# KiCad board ergodash.kicad_pcb (continued)
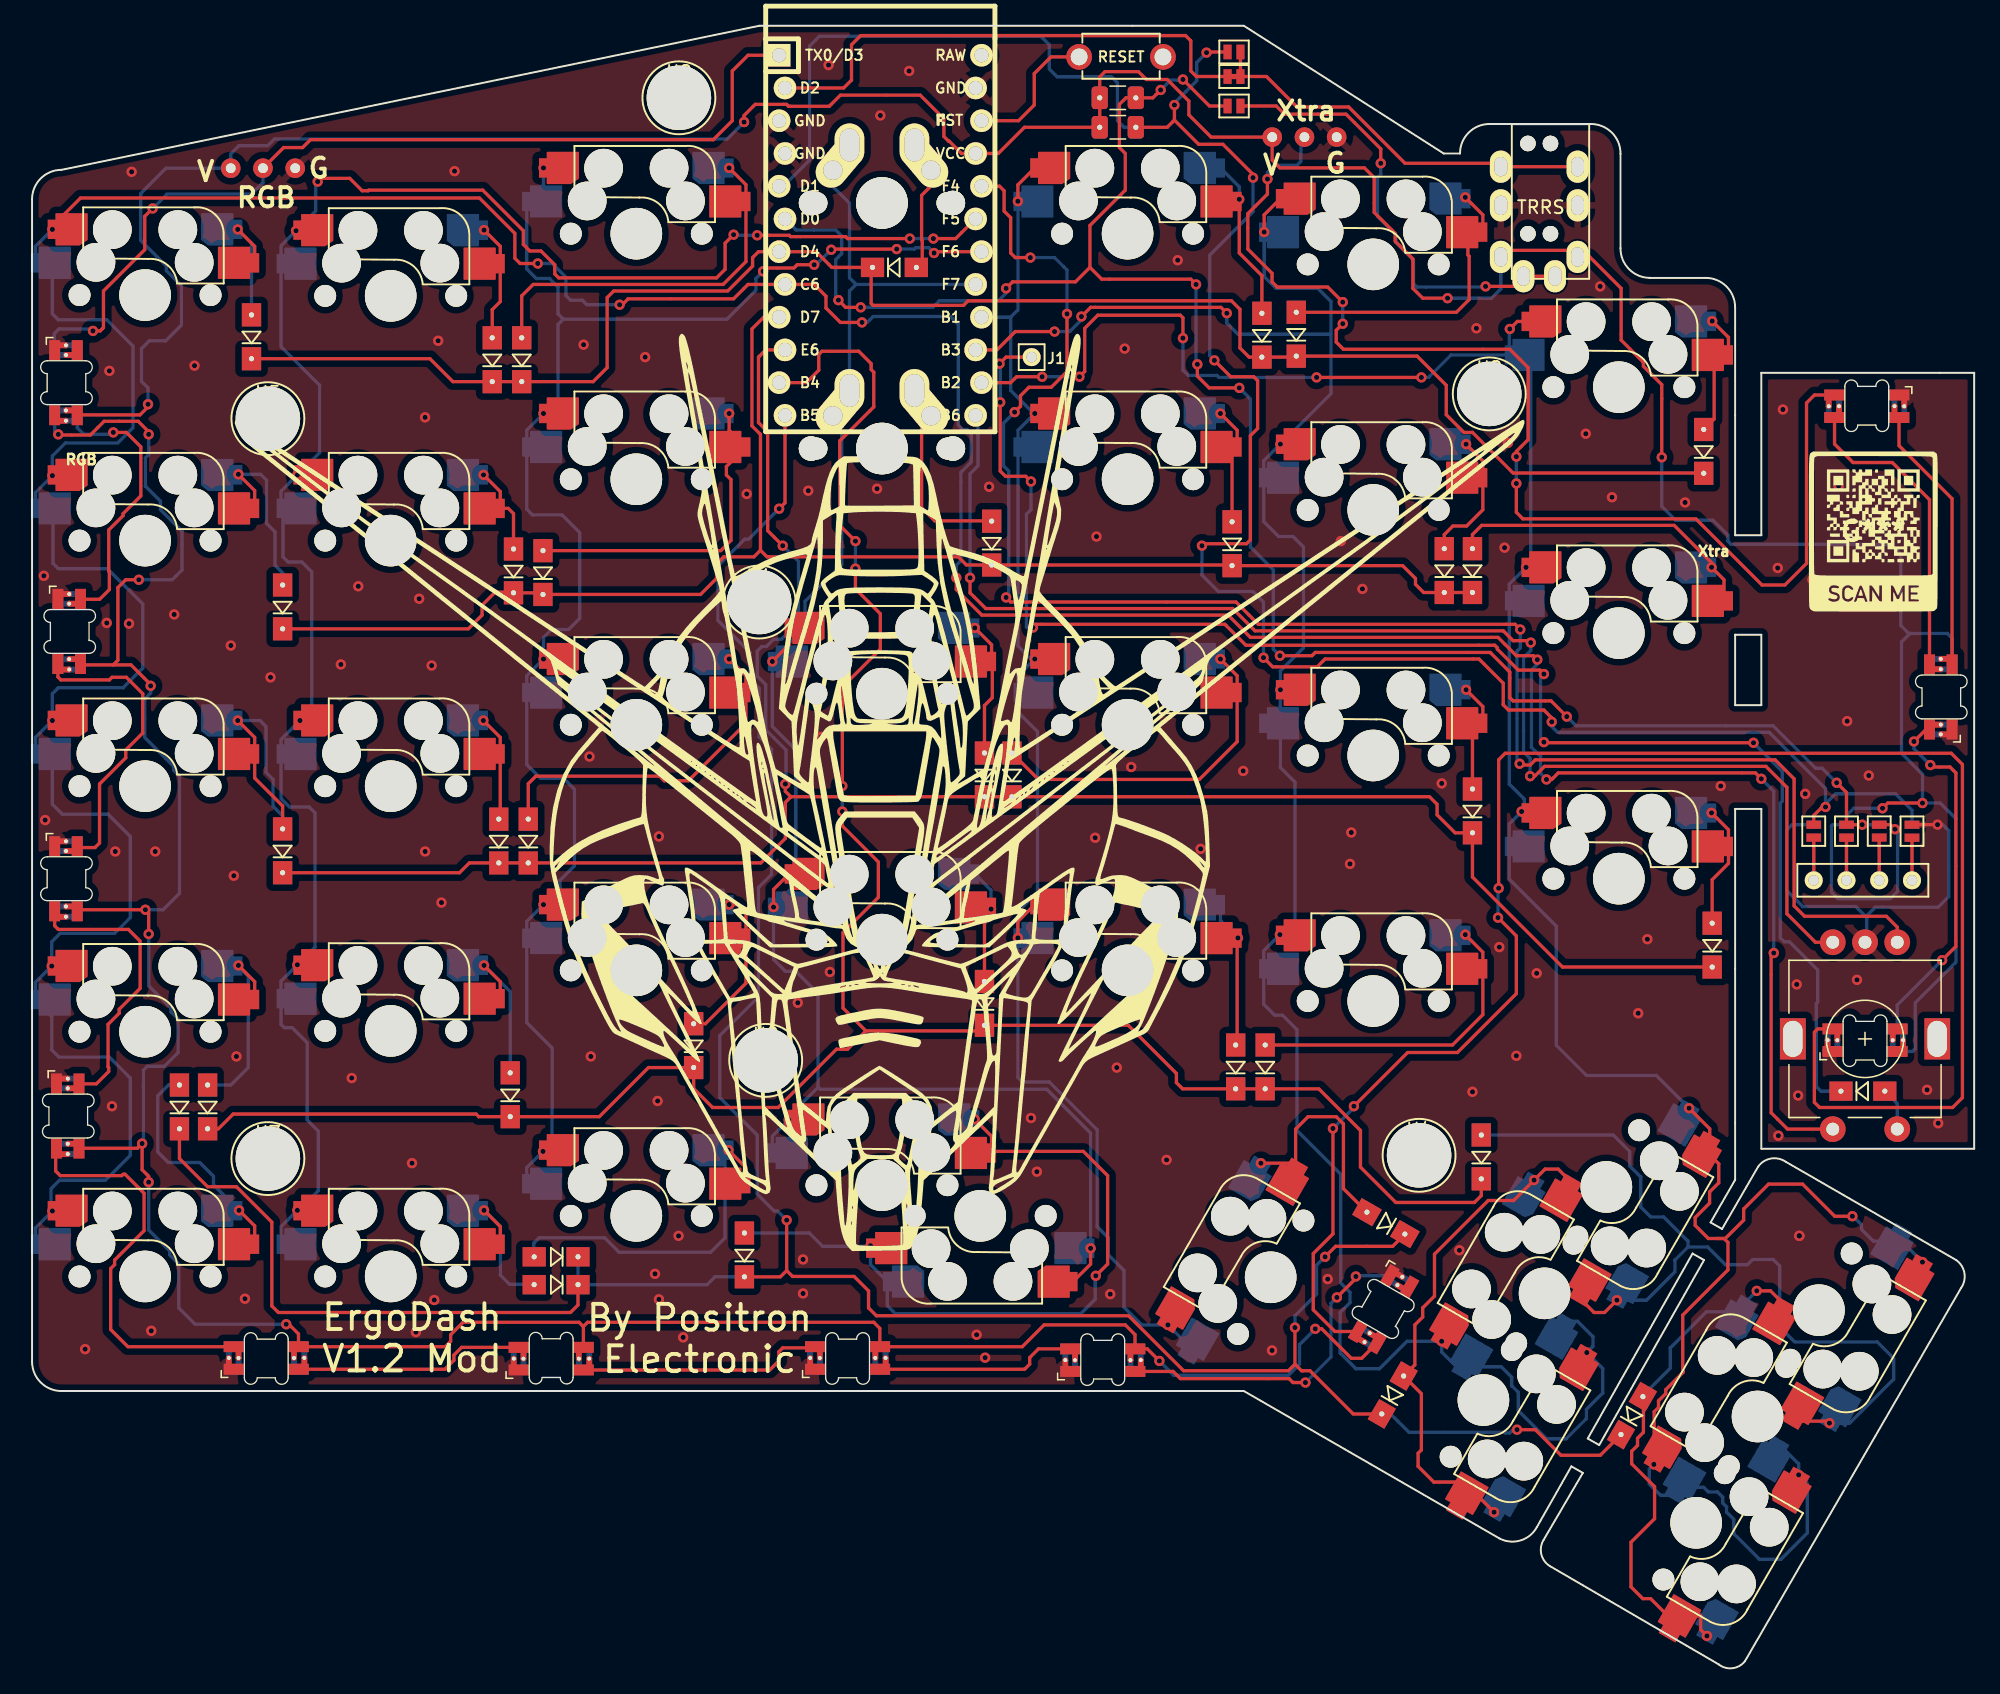
[diagram p0: board, top side]
## Routing (per net, layer and track width the routed paths; a pad name or vN(x,y) marks a point on that pad's centre or on a via; arc(x,y) is an arc through that point) (continued)
  Bottom w0.254: v1(144.48,65.09) 144.68,64.89 144.68,60.26 144.12,59.7 140.06,59.7 139.55,60.21 139.55,65.34 139.64,65.44 JP7.1 140.72,66.16 141.27,66.71 v1(143.51,66.71) ; 145.59,80.23 144.98,79.62 144.98,70.98 146.61,69.36 v1(146.61,67.12) 147.98,67.12 149.2,65.9 149.2,54.78 146.05,51.63 146.05,48.07 145.83,47.85 D40.1 ; 145.59,80.23 145.64,80.28 148.54,80.28 148.9,79.91 D38.1 ; 145.59,80.23 144.93,80.89 144.93,86.43 144.17,87.19 131.78,87.19 131.52,87.44 131.52,87.9 130.35,89.07 127.46,89.07 126.39,90.13 v1(126.39,93.94) ; v1(99.52,26.33) 98.3,25.11 98.3,23.59 97.43,22.72 88.54,22.72 v1(87.43,23.84) ; v1(8.99,98.06) 8.99,99.33 8.48,99.84 8.48,102.38 9.09,102.99 10.36,102.99 11.58,104.21 11.58,107.25 10.41,108.42 10.41,108.78 8.43,110.76 8.43,114.42 10.39,116.37 J2.1 15.41,117.48 16.05,118.12 18.29,118.12 18.8,118.63 53.9,118.63 v1(55.22,119.95) ; v1(8.79,58.84) 10.16,58.84 11.43,60.11 11.43,69.2 10.97,69.66 10.97,69.97 8.74,72.2 8.74,75.2 9.19,75.66 v1(9.19,76.21) ; TRRS1.1 113.91,107.02 113.18,106.29 v1(109.78,106.29) ; D35.1 1.75,96 v1(2.03,95.72) ; v1(19.71,26.68) 12.65,26.68 11.38,27.95 11.38,31.36 10.67,32.07 10.67,32.37 9.04,34 v1(9.04,37.71) ; v1(8.53,40.71) 8.64,40.81 8.64,46.39 8.94,46.7 10.26,46.7 11.33,47.77 11.33,50.36 10.77,50.92 10.77,51.22 9.04,52.95 v1(9.04,56.96) ; v1(8.28,84.44) 10.87,84.44 11.63,85.21 11.63,88.2 9.96,89.88 9.96,90.54 8.79,91.71 8.79,93.89 9.04,94.15 v1(9.04,95.72)
/col0: length 331.6
  Top w0.254: v1(45.57,105.78) 45.77,105.78 46.23,106.24 54.41,106.24 55.52,107.35 U6.8 60.66,107.35 61.57,106.44 61.57,105.53 62.69,104.41 v1(64.36,104.41) ; v1(1.52,54.47) 1.53,54.48 SW45.1 ; v1(134.11,69) 133.65,69.46 118.36,69.46 117.86,68.95 v1(117.45,68.95) ; v1(135.08,55.49) 134.87,55.28 134.87,43.09 136.14,41.82 SW57.S1 ; v1(116.74,78.25) 116.43,78.55 115.11,78.55 113.69,79.97 94.49,79.97 92.76,81.7 73.66,81.7 71.68,83.68 v1(71.68,84.6) ; SW44.1 1.57,73.53 v1(1.57,73.52) ; SW46.1 1.56,35.48 v1(1.57,35.47) ; v1(39.22,108.98) 37.85,108.98 37.44,109.39 37.44,111.32 34.7,114.06 3.76,114.06 1.56,111.86 SW42.1 1.57,111.63 v1(1.57,111.62) ; v1(1.57,92.52) 1.56,92.53 SW43.1
  Bottom w0.254: SW46.1 0.26,34.16 v1(1.57,35.47) 1.47,35.57 1.47,37.2 2.13,37.86 5.69,37.86 7.62,39.79 7.62,45.79 5.99,47.41 2.08,47.41 1.52,47.97 1.52,50.56 0.26,51.82 SW45.1 0.26,53.21 v1(1.52,54.47) 1.52,56.35 2.18,57.01 6.4,57.01 7.62,58.23 7.62,64.53 5.89,66.26 2.34,66.26 1.57,67.02 1.57,70.02 0.66,70.93 SW44.1 0.26,72.21 v1(1.57,73.52) 1.57,75.6 2.03,76.06 7.06,76.06 8.59,77.59 8.59,82.56 5.84,85.31 2.03,85.31 1.63,85.71 1.63,88.86 0.51,89.98 SW43.1 0.26,91.21 v1(1.57,92.52) 1.57,94.05 2.59,95.06 6.65,95.06 7.82,96.23 7.82,102.58 5.79,104.61 2.03,104.61 1.57,105.07 1.57,108.22 1.47,108.32 0.97,108.32 SW42.1 0.26,110.31 v1(1.57,111.62) ; v1(64.36,104.41) 64.77,104.41 65.23,104.87 71.22,104.87 71.83,104.26 71.83,96.43 72.19,96.08 72.54,96.08 72.85,95.77 72.85,93.59 72.03,92.78 72.03,85.92 71.68,85.56 v1(71.68,84.6) ; v1(135.08,55.49) 135.08,68.04 v1(134.11,69) ; v1(117.45,68.95) 116.99,69.41 116.99,70.73 116.28,71.44 116.28,77.43 116.74,77.89 v1(116.74,78.25) ; v1(39.22,108.98) 40.34,108.98 41.4,107.91 41.4,106.49 41.76,106.14 42.67,106.14 43.03,105.78 v1(45.57,105.78)
/col1: length 153.8
  Top w0.254: SW48.1 20.58,92.58 v1(20.57,92.57) ; v1(56.24,111.16) 58.72,111.16 58.83,111.06 63.09,111.06 63.25,110.91 v1(68.07,110.91) ; v1(54.41,111.22) 53.75,110.56 53.75,108.52 53.09,107.86 40.84,107.86 40.54,108.17 40.54,108.88 39.47,109.95 38.61,109.95 38.1,110.45 38.1,111.52 34.95,114.67 26.11,114.67 26.06,114.62 25.6,114.62 24.64,115.58 22.4,115.58 v1(22.15,115.33) ; SW50.1 20.6,54.54 v1(20.57,54.57) ; SW49.1 20.77,73.53 v1(20.78,73.52) ; SW51.1 20.6,35.49 v1(20.57,35.52) ; SW47.1 20.52,111.57 v1(20.47,111.52) ; U6.19 73.15,112.43 71.63,110.91 v1(69.9,110.91)
  Bottom w0.254: SW51.1 19.31,34.26 v1(20.57,35.52) 20.68,35.52 22.2,37.05 22.2,41.67 21.34,42.53 21.34,48.53 20.17,49.7 19.56,49.7 19.31,49.94 SW50.1 19.31,53.31 v1(20.57,54.57) 21.95,55.95 21.95,66.36 21.49,66.82 19.96,66.82 19.31,67.47 SW49.1 19.31,72.06 v1(20.78,73.52) 21.69,74.44 21.69,85.05 20.93,85.82 19.86,85.82 19.46,86.22 19.46,89.84 SW48.1 19.31,91.31 v1(20.57,92.57) 22.3,94.3 22.3,99.53 19.31,102.52 SW47.1 19.31,110.36 v1(20.47,111.52) 22,113.04 22,115.18 v1(22.15,115.33) ; v1(54.41,111.22) 54.46,111.16 v1(56.24,111.16) ; v1(69.9,110.91) v1(68.07,110.91)
/col2: length 129.1
  Top w0.254: v1(69.95,109.79) 70.05,109.89 U6.18 ; v1(67.06,110.1) 62.03,110.1 v1(61.98,110.05) ; v1(56.69,108.37) 56.95,108.62 59.08,108.62 59.33,108.88 v1(60.66,108.88) ; v1(39.62,40.1) 39.66,40.13 39.66,40.19
  Bottom w0.254: 38.36,37.59 38.36,38.83 v1(39.62,40.1) 40.34,40.81 40.34,48.12 38.36,50.09 SW55.1 38.36,57.94 v1(39.66,59.24) 40.94,60.52 40.94,61.13 42.06,62.24 42.06,68.19 41.2,69.05 39.42,69.05 38.36,70.11 SW54.1 38.36,76.99 v1(39.66,78.29) 39.66,79.96 40.28,80.58 41.61,80.58 42.47,81.45 42.47,88.1 41.1,89.47 38.81,89.47 38.36,89.92 SW53.1 38.36,96.04 v1(39.66,97.34) 40.79,98.47 40.79,104.26 41.2,104.66 ; v1(61.98,110.05) 60.81,108.88 v1(60.66,108.88) ; v1(39.66,116.39) 39.66,115.09 SW52.1 38.36,108.57 39.12,107.81 40.13,107.81 40.79,107.15 40.79,105.07 41.2,104.66 ; 41.2,104.66 53.9,104.66 56.13,106.9 56.13,107.81 v1(56.69,108.37) ; v1(67.06,110.1) 68.43,110.1 68.53,110.2 69.55,110.2 v1(69.95,109.79)
/col3: length 133.1
  Top w0.254: v1(57.51,59.04) 57.51,60.42 58.71,61.62 ; SW62.1 82.09,31.35 v1(82.09,32.58) ; 58.71,80.7 58.71,79.4 v1(57.41,78.1) ; 58.71,42.57 v1(58.67,42.53)
  Bottom w0.254: SW61.1 57.41,41.27 v1(58.67,42.53) 58.67,42.79 60.96,45.07 ; SW14.1 62.1,96.61 62.79,95.92 62.79,85.61 59.94,82.77 59.94,80.74 57.41,78.2 v1(57.41,78.1) 57.41,73.06 59.23,71.24 59.23,60.84 SW60.1 57.48,59.02 v1(57.51,59.04) 57.51,54.98 58.42,54.07 59.23,54.07 60.96,52.34 60.96,45.07 ; SW13.1 62.1,114.95 63.39,113.66 63.39,107.87 63.91,107.35 ; 60.96,45.07 61.11,44.92 78.69,44.92 82.09,41.52 v1(82.09,32.58) 82.08,32.59 SW62.1 ; 63.91,107.35 U6.17 ; 63.91,107.35 63.39,106.84 SW14.1
/col4: length 110.2
  Top w0.254: SW67.1 88.08,26.64 v1(88.09,26.63) ; v1(76.45,113.81) 76.45,115.08 SW63.1 ; v1(76.45,56.66) 76.45,57.93 SW66.1
  Bottom w0.254: v1(76.45,56.66) 76.45,58.69 77.98,60.21 77.98,72.66 76.46,74.17 SW65.1 76.46,76.99 v1(77.76,78.29) 77.48,78.29 76.46,79.3 SW64.1 76.46,96.04 v1(77.76,97.34) 77.68,97.34 75.9,99.13 75.9,104.81 ; v1(76.45,56.66) 76.46,56.65 SW66.1 ; v1(76.45,56.66) 76.45,45.84 76.81,45.48 78.89,45.48 82.6,41.77 82.6,34.25 83.46,33.39 83.46,32.07 84.68,30.85 84.68,28.01 86.06,26.63 v1(88.09,26.63) 89.64,25.08 SW67.1 ; 75.9,104.81 U6.16 ; 75.9,104.81 76.45,105.37 v1(76.45,113.81) 76.46,113.8 SW63.1
/col5: length 173.5
  Top w0.254: v1(109.32,25.36) 109.29,25.4 SW73.1 ; 96.81,114.01 95.55,112.75 v1(95.55,111.42) ; U6.15 74.83,102.27 76.25,103.7 v1(79.3,103.7) ; v1(92.66,105.12) 92.2,105.58 82.09,105.58 v1(81.38,104.87) ; v1(96.77,56.91) 96.81,56.87 96.81,56.86
  Bottom w0.254: SW72.1 119.86,26.92 121.06,25.72 121.06,24.97 v1(120.57,24.49) 121.82,23.25 121.82,21.35 120.55,20.08 120.55,19.37 118.97,17.79 117.45,17.79 115.27,19.98 115.27,21.4 114.76,21.91 114.76,22.57 113.94,23.38 111.3,23.38 SW73.1 109.32,24.54 v1(109.32,25.36) 106.63,25.36 104.5,23.23 102.67,23.23 101.45,24.45 101.45,27.6 102.21,28.36 102.21,29.17 101.5,29.88 101.5,38.32 98.09,41.72 98.09,49.54 96.98,50.66 96.37,50.66 95.51,51.52 SW71.1 95.51,55.65 v1(96.77,56.91) 97.94,58.08 97.94,68.75 96.81,69.88 96.81,75.31 ; 100.74,103.54 100.69,103.49 93.52,103.49 92.66,104.36 v1(92.66,105.12) ; 100.74,103.54 100.74,98.88 v1(96.81,94.96) 95.51,93.66 SW69.1 95.51,88.96 96.67,87.8 97.79,87.8 98.6,86.98 98.6,79.16 96.81,77.37 v1(96.81,75.91) 96.81,75.31 ; 100.74,103.54 100.74,106.03 99.72,107.05 96.47,107.05 95.55,107.96 v1(95.55,111.42) 95.55,111.41 SW68.1 ; v1(79.3,103.7) 80.47,103.7 81.38,104.61 v1(81.38,104.87) ; SW70.1 96.81,74.61 96.81,75.31
/col6: length 205.2
  Top w0.254: v1(137.01,15) 137.04,14.96 SW79.1 ; 130.71,33.34 131.22,33.34 131.52,33.03 131.52,30.9 128.02,27.4 128.02,23.08 128.07,23.03 128.07,22.98 126.7,21.6 126.7,21.3 126.14,20.74 126.14,20.23 125.8,19.9 SW80.1 125.8,15.83 v1(125.78,15.81) ; 130.71,33.34 130,33.34 128.98,34.36 128.98,34.96 130.1,36.08 130.1,36.95 130.81,37.66 130.81,39.13 130.11,39.83 SW77.1 130.11,41.85 v1(128.51,43.45) ; 130.71,33.34 131.32,33.34 132.74,34.76 132.74,35.63 134.67,37.56 137.31,37.56 139.8,35.07 v1(141.17,35.07) ; v1(81.23,100.19) 81.64,100.6 81.64,103.95 82.65,104.97 89.05,104.97 89.26,104.76 v1(89.26,103.19) ; v1(78.33,100.19) 76.35,100.19 75.9,99.73 U6.14 ; v1(146.61,31.51) 146.6,31.5 SW78.1 ; v1(99.62,100.14) v1(107.75,100.14) ; v1(114.6,103.9) 115.19,104.49 SW74.1 ; v1(115.52,66.46) 115.76,66.46 SW76.1
  Bottom w0.254: v1(78.33,100.19) v1(81.23,100.19) ; v1(146.61,31.51) 144.98,33.14 142.8,33.14 141.88,34.05 141.88,34.41 141.27,35.02 ; v1(107.75,100.14) 108.31,100.14 110.05,101.89 SW74.1 ; SW79.1 137.01,15.85 v1(137.01,15) 137.67,14.34 137.67,10.48 135.64,8.45 133.96,8.45 131.98,10.43 131.98,11.55 131.42,12.1 131.42,12.51 131.11,12.82 131.11,13.27 130.71,13.68 130,13.68 129.64,14.04 128.37,14.04 127.75,13.42 SW80.1 126.3,13.42 125.43,14.29 125.43,15.46 v1(125.78,15.81) ; v1(128.51,43.45) 125.97,45.99 120.55,45.99 118.21,48.33 118.21,57.57 114.56,61.22 SW76.1 114.56,65.5 v1(115.52,66.46) 115.72,66.66 115.72,67.43 114.56,68.59 SW75.1 114.56,84.1 v1(115.86,85.4) 116.23,85.77 116.23,100.65 114.99,101.89 SW74.1 ; SW74.1 114.56,103.86 v1(114.6,103.9) ; 99.57,100.19 v1(99.62,100.14) 92.05,100.14 91.9,100.29 89.66,100.29 89.26,100.7 v1(89.26,103.19)
/row0: length 133.5
  Top w0.254: D1.1 30.86,101.59 32.64,99.81 D5.1 D9.1 43.51,99.81 44.6,100.9 44.6,106.34 45.11,106.85 53.95,106.85 55.88,108.78 55.88,109.44 56.34,109.89 U6.7 60.81,109.89 62.03,108.68 D13.1 65.07,108.57 65.07,105.88 65.23,105.73 72.24,105.73 72.59,106.08 93.01,106.08 93.68,105.42 93.68,102.43 94.38,101.72 D17.1 95.38,101.72 97.97,101.72 D21.1 107.41,101.79 109.68,99.53 109.68,97.25 111.05,95.87 111.71,95.87 114.86,92.72 129.62,92.72 D25.1
/row1: length 117.6
  Top w0.254: 56.49,86.73 56.49,95.72 55.83,96.38 55.83,103.9 56.74,104.81 U6.9 ; 56.49,86.73 57,86.22 71.83,86.22 72.46,85.59 D14.1 93.01,85.59 D18.1 106.3,85.54 107.29,84.55 107.29,84.09 107.92,83.46 D22.1 D26.1 ; 56.49,86.73 55.98,86.22 53.64,86.22 53.09,85.66 53.09,84.55 51.84,83.3 D10.1 39.5,83.43 D6.1 37.29,83.48 35.92,83.48 34.9,82.46 34.9,81.7 33.83,80.63 19.43,80.63 D2.1
/row2: length 163.6
  Top w0.254: D27.1 118.69,54.4 111.71,61.38 D23.1 110.36,64.81 108.97,66.21 108.97,67.02 108.38,67.61 D19.1 D15.1 58.85,67.61 ; 58.85,67.61 58.85,67.61 58.42,68.04 v1(58.42,68.59) ; 58.85,67.61 58.42,67.17 58.42,64.38 56.52,62.47 D11.1 D7.1 33.91,62.47 33.15,61.71 D3.1 ; U6.10 56.9,102.27 56.34,101.72 56.34,96.64 57.05,95.92 57.05,88.25 v1(58.22,87.09)
  Bottom w0.254: v1(58.22,87.09) 59.44,85.87 59.44,81.14 58.12,79.82 57.51,79.82 56.95,79.26 56.59,79.26 56.24,78.91 56.24,76.98 56.9,76.32 56.9,72.81 58.47,71.24 58.47,68.65 v1(58.42,68.59)
/row3: length 182.8
  Top w0.254: v1(62.84,68.44) 62.84,76.11 65.79,79.06 65.79,81.8 63.86,83.73 v1(63.86,85.31) ; 64.67,49.44 63.25,48.02 62.38,48.02 57.86,43.5 52.78,43.5 51.31,44.97 D12.1 47.8,46.6 43.99,42.79 D8.1 34.64,42.79 34.44,42.99 15.6,42.99 14.45,41.85 D4.1 ; 64.67,49.44 73.43,49.44 D16.1 85.01,49.88 88.75,46.14 88.75,45.43 89.23,44.95 D20.1 D24.1 99.79,44.95 103.02,41.72 103.02,38.88 105.77,36.13 111.86,36.13 112.4,36.67 D28.1 ; 64.67,49.44 62.89,51.22 62.89,57.06 65.63,59.81 65.63,62.55 62.84,65.34 v1(62.84,66.46) ; v1(63.86,87.44) 62.64,88.66 62.64,95.21 65.28,97.86 65.28,100.55 65.07,100.75 65.07,101.21 64.11,102.17 61.26,102.17 61.01,101.92 61.01,100.7 60.05,99.73 U6.11
  Bottom w0.254: v1(62.84,68.44) v1(62.84,66.46) ; v1(63.86,87.44) v1(63.86,85.31)
/row4: length 225.9
  Top w0.254: 58.52,30.85 v1(58.52,34.76) ; 58.52,30.85 58.04,30.36 D32.1 ; 58.52,30.85 58.98,30.39 63.75,30.39 64.87,29.28 64.87,27.95 65.48,27.34 85.04,27.34 89.31,23.08 97.43,23.08 97.94,23.59 ; D33.1 105.52,32.73 101.09,32.73 v1(100.28,31.92) ; D34.1 102.46,19.73 99.11,23.08 98.45,23.08 97.94,23.59 ; v1(115.16,18.51) 116.59,18.51 118.57,16.52 121.63,16.52 D68.1 ; U6.12 58.39,90.41 v1(57.94,89.96) ; 97.94,23.59 v1(97.94,26.43) ; D30.1 42.34,28.18 41.76,27.6 19.1,27.6 18.59,28.11 18.59,34.61 15.85,37.35 13.61,37.35 11.43,39.54 D29.1
  Bottom w0.254: v1(100.28,31.92) 99.62,31.26 99.62,29.02 97.94,27.34 v1(97.94,26.43) ; v1(57.94,89.96) 55.58,87.59 55.27,87.59 53.19,85.51 53.19,81.29 55.68,78.81 55.68,76.72 56.39,76.01 56.39,72.25 57.35,71.29 57.35,61.58 56.34,60.57 56.34,52.08 53.34,49.09 53.34,44.26 56.24,41.37 56.24,36.79 57.56,35.47 57.81,35.47 v1(58.52,34.76) ; D32.1 52.96,30.36 52.35,29.76 D30.1 D31.1 ; D34.1 105.36,19.73 106.78,18.3 114.2,18.3 114.25,18.25 114.6,18.25 114.86,18.51 v1(115.16,18.51)
/xtradata: length 92
  Top w0.254: v1(115.11,91.91) 115.11,89.68 115.62,89.17 129.03,89.17 134.16,84.04 135.94,84.04 137.62,85.71 137.62,98.16 138.24,98.78 D36.2 ; v1(101.65,104.31) 101.14,103.8 101.14,102.88 101.7,102.33 114.6,102.33 116.03,100.9 116.03,95.32 115.11,94.4 v1(115.11,93.99) ; v1(95.81,115.53) 95.81,114.37 94.28,112.84 94.28,110.1 96.16,108.22 96.16,107.56 96.57,107.15 100.48,107.15 v1(101.65,105.98)
  Bottom w0.254: J3.2 98.4,118.51 98.4,116.91 98.09,116.6 96.37,116.6 95.81,116.04 v1(95.81,115.53) ; v1(101.65,104.31) v1(101.65,105.98) ; v1(115.11,91.91) v1(115.11,93.99)
DATA: length 40.3
  Top w0.254: U6.2 62.94,122.59 63.55,123.2 63.55,125.95 64.26,126.66 89.46,126.66 89.87,126.25 89.87,123.92 90.3,123.48 JP10.1
enc_a: length 133.9
  Top w0.254: v1(76.2,97.45) 76.66,97.91 76.66,98.72 77.32,99.38 79.04,99.38 80.26,100.6 v1(80.26,105.07) ; v1(115.37,70.17) 115.47,70.07 116.18,70.07 116.59,70.47 135.18,70.47 136.65,69 136.65,59.15 137.46,58.33 143.81,58.33 144.65,57.49 SW57.A ; U6.20 75.03,114.97 75.39,114.62 75.39,113.04 75.9,112.54 75.9,109.79 76.25,109.44 v1(77.42,109.44) ; v1(75.54,83.07) 75.9,82.72 93.37,82.72 95.1,80.99 115.01,80.99 v1(115.42,80.58)
  Bottom w0.254: v1(75.54,83.07) 75.74,83.28 75.74,92.88 75.34,93.28 75.34,96.59 v1(76.2,97.45) ; v1(80.26,105.07) 80.26,108.47 79.3,109.44 v1(77.42,109.44) ; v1(115.37,70.17) 115.16,70.37 115.16,78.91 115.42,79.16 v1(115.42,80.58)
enc_b: length 105.2
  Top w0.254: v1(116.18,69.2) 116.54,69.2 117.3,69.97 134.47,69.97 136.09,68.34 136.09,58.54 138.31,56.32 SW57.B ; v1(72.75,84.6) 72.75,83.43 73.96,82.21 93.12,82.21 94.84,80.48 114.1,80.48 114.86,79.72 116.08,79.72 v1(116.23,79.57)
  Bottom w0.254: v1(72.75,84.6) 72.75,92.67 73.36,93.28 73.36,97.02 U6.13 ; v1(116.23,79.57) 116.23,78.96 115.67,78.4 115.67,71.08 116.18,70.58 v1(116.18,69.2)
RGB: length 72.7
  Top w0.254: v1(4.72,103.75) 5.28,103.75 5.54,104 5.54,106.85 8.74,110.05 8.74,112.64 v1(9.35,113.25) ; U6.1 55.52,125.13 54.31,123.92 54.31,120.05 52.83,118.58 21.59,118.58 20.98,117.97 19.51,117.97 J2.2
  Bottom w0.254: v1(4.72,103.75) 4.57,103.9 2.08,103.9 1.73,103.54 1.73,102.26 D35.4 ; J2.2 17.91,115.25 17.02,114.37 10.46,114.37 v1(9.35,113.25)
row5: length 120.1
  Top w0.254: v1(77.47,92.06) 77.06,92.47 75.49,92.47 75.08,92.88 v1(75.08,98.21) ; J1.1 75.54,101.72 v1(75.03,101.21) ; v1(117.25,71.85) 117.3,71.79 v1(133.5,71.79) ; v1(77.62,80.74) 77.88,80.99 92.51,80.99 94.13,79.36 113.44,79.36 113.64,79.16 113.64,79.06 115.27,77.43 116.94,77.43 v1(117.25,77.13)
  Bottom w0.254: v1(133.5,71.79) 135.74,69.56 135.74,67.27 135.59,67.12 135.59,56.66 135.89,56.35 136.3,56.35 138.48,54.17 138.48,51.68 138.38,51.58 138.38,45.12 138.73,44.77 D_1.1 ; v1(77.47,92.06) 77.47,89.88 77.11,89.52 77.11,80.79 77.17,80.74 v1(77.62,80.74) ; v1(75.08,98.21) 75.08,101.16 v1(75.03,101.21) ; v1(117.25,77.13) 116.99,76.87 116.99,72.1 v1(117.25,71.85)
RST: length 11.1
  Top w0.254: RST_SW1.1 79.02,125.01 77.72,123.71 77.72,121.27 76.5,120.05 U6.22
SCL: length 151.8
  Top w0.254: 82.04,108.68 82.96,107.76 89.87,107.76 v1(90.27,107.35) ; 82.04,108.68 82.04,111.93 84.79,114.67 84.79,117.51 84.33,117.97 84.33,121.32 84.84,121.83 R2.2 86.92,121.83 v1(87.53,122.44) ; 82.04,108.68 80.92,107.56 76.05,107.56 v1(75.54,107.05) ; v1(119.02,73.83) 117.81,75.05 114.86,75.05 114.6,75.3 114.6,77.28 113.08,78.81 99.52,78.81 99.26,78.55 v1(96.77,78.55) ; v1(90.37,101.16) 90.37,100.24 91.29,99.33 v1(93.62,99.33) ; v1(64.26,105.58) 63.09,105.58 v1(62.53,106.14) ; v1(89.26,123.26) 91.31,121.2 JP9.2 ; v1(141.94,65.44) 141.93,65.44 JP3.1 140.72,67.93 v1(139.95,68.7)
  Bottom w0.254: v1(90.27,107.35) 90.27,101.26 v1(90.37,101.16) ; v1(139.95,68.7) 138.84,69.81 138.33,69.81 135.03,73.12 119.74,73.12 v1(119.02,73.83) ; U6.6 59.26,111.57 62.33,111.57 62.79,111.11 62.79,109.74 62.33,109.29 62.33,106.34 v1(62.53,106.14) ; v1(141.94,65.44) 141.94,65.44 JP6.1 ; v1(75.54,107.05) 75.54,106.69 74.93,106.08 70.36,106.08 69.85,105.58 v1(64.26,105.58) ; v1(89.26,123.26) 89.2,123.2 88.29,123.2 v1(87.53,122.44) ; v1(96.77,78.55) 96.27,79.06 96.27,85.21 94.49,86.98 94.49,98.46 v1(93.62,99.33)
SDA: length 173.1
  Top w0.254: v1(91.08,125.34) 91.14,125.39 JP11.1 ; v1(91.69,101.46) 92.96,100.19 94.74,100.19 95.05,99.89 95.05,96.18 94.49,95.62 94.49,87.54 94.18,87.24 90.88,87.24 v1(90.73,87.09) ; v1(117.86,73.42) 117.86,73.73 117.25,74.33 114.5,74.33 114.1,74.74 114.1,76.42 112.22,78.3 100.28,78.3 99.67,77.69 96.22,77.69 v1(95.5,78.4) ; v1(139.09,66.82) 138.84,66.82 138.18,66.16 JP4.1 ; R1.2 88.04,119.55 88.6,120.11 ; 88.6,120.11 v1(88.6,121.27) ; 88.6,120.11 90.47,118.23 92.35,118.23 94.69,115.89 v1(94.69,115.64)
  Bottom w0.254: v1(95.5,78.4) 95.5,82.72 94.69,83.53 92,83.53 90.73,84.8 v1(90.73,87.09) ; R1.2 84.68,119.55 84.18,120.05 84.18,123 83.72,123.46 79.5,123.46 78.89,124.07 78.89,125.95 78.23,126.61 61.06,126.61 60.3,125.85 60.3,117.01 58.27,114.97 U6.5 ; JP5.1 145.8,66.56 144.53,67.83 139.85,67.83 139.09,67.07 v1(139.09,66.82) 139.09,68.24 134.72,72.61 118.31,72.61 117.86,73.06 v1(117.86,73.42) ; v1(88.6,121.27) 88.6,121.43 90.32,123.15 90.32,124.58 v1(91.08,125.34) ; v1(91.69,101.46) 91.34,101.82 91.34,109.64 94.69,112.99 v1(94.69,115.64)
Net-(D1-Pad2): length 10.2
  Top w0.254: SW42.2 17.26,110.31 v1(15.95,111.62)
  Bottom w0.254: D1.2 17.02,110.56 v1(15.95,111.62) 15.96,111.63 SW42.2
Net-(D2-Pad2): length 14.2
  Top w0.254: v1(16,92.62) 17.26,91.36 SW43.2
  Bottom w0.254: SW43.2 15.96,92.58 v1(16,92.62) 17.73,92.62 18.19,92.17 18.19,88.81 18.85,88.15 18.85,85.56 19.43,84.98 D2.2
Net-(D3-Pad2): length 20.7
  Top w0.254: v1(15.95,73.52) 17.26,72.21 SW44.2 17.26,69.06 19.43,66.89 D3.2
  Bottom w0.254: D3.2 19.43,66.13 18.69,66.87 18.69,68.95 18.14,69.51 18.14,73.06 17.68,73.52 v1(15.95,73.52) 15.96,73.53 SW44.2
Net-(D4-Pad2): length 15.1
  Top w0.254: v1(16,54.52) 17.26,53.26 SW45.2
  Bottom w0.254: D4.2 15.42,45.25 16.76,46.6 16.76,53.68 SW45.2 15.96,54.48 v1(16,54.52)
Net-(D5-Pad2): length 9.2
  Top w0.254: v1(35.05,111.57) 36.31,110.31 SW47.2 36.31,106.03 35.69,105.4 D5.2
  Bottom w0.254: v1(35.05,111.57) 35.05,111.57 SW47.2
Net-(D6-Pad2): length 7.1
  Top w0.254: D6.2 37.34,89.57 36.93,89.98 SW48.2 36.31,91.28 v1(35.01,92.58)
Net-(D7-Pad2): length 8.3
  Top w0.254: D7.2 36.31,65.99 SW49.2 36.31,72.21 v1(35,73.52)
  Bottom w0.254: SW49.2 35.01,73.53 v1(35,73.52)
Net-(D8-Pad2): length 12.3
  Top w0.254: v1(35.05,54.52) 36.31,53.26 SW50.2
  Bottom w0.254: SW50.2 35.03,54.54 v1(35.05,54.52) 37.08,52.49 D8.2
Net-(D9-Pad2): length 29.6
  Top w0.254: v1(54.06,116.39) 55.36,115.09 SW52.2 55.36,109.12 53.59,107.35 38.86,107.35 37.97,106.47 D9.2
Net-(D10-Pad2): length 26.1
  Top w0.254: v1(54.06,97.34) 54.06,96.04 SW53.2 53.85,93.23 53.85,92.57 54.2,92.22 54.2,87.49 53.41,86.7 D10.2
Net-(D11-Pad2): length 27.4
  Top w0.254: D11.2 38.48,68.62 39.07,69.2 48.67,69.2 49.02,68.85 50.9,68.85 55.36,73.31 SW54.2 55.36,76.99 v1(54.06,78.29)
Net-(D12-Pad2): length 12.4
  Top w0.254: D12.2 52.22,50 55.36,53.14 SW55.2 55.36,58.6 54.72,59.24 v1(54.06,59.24)
Net-(D13-Pad2): length 9
  Top w0.254: 68.99,109.23 68.33,108.57 ; D13.2 69.04,109.13 69.04,110.76 68.99,110.81 68.99,114.26 69.72,115 SW13.2
Net-(D14-Pad2): length 13.3
  Top w0.254: SW14.2 68.99,96.43 68.99,90.03 70,89.02 74.39,89.02 D14.2
Net-(D15-Pad2): length 10.5
  Top w0.254: v1(73.11,80.7) 74.41,79.4 SW59.2 74.47,78.05 74.47,75.3 73.86,74.69 D15.2
Net-(D16-Pad2): length 9.2
  Top w0.254: SW60.2 74.41,58.93 v1(74.37,58.89) 73.86,58.38 D16.2
  Bottom w0.254: v1(74.37,58.89) 74.37,60.36 SW60.2
Net-(D17-Pad2): length 12.8
  Top w0.254: D17.2 95.38,108.04 93.62,109.79 v1(93.62,113.96) 93.46,113.8 SW63.2
  Bottom w0.254: v1(93.62,113.96) 93.62,114.93 92.16,116.39
Net-(D18-Pad2): length 9.1
  Top w0.254: v1(92.16,97.34) 93.46,96.04 SW64.2 93.07,94.34 D18.2
Net-(D19-Pad2): length 26.5
  Top w0.254: D19.2 78.05,68.95 90.53,68.95 93.46,71.89 SW65.2 93.46,76.99 v1(92.16,78.29)
Net-(D20-Pad2): length 11.6
  Top w0.254: D20.2 93.46,48.47 SW66.2 93.51,56.64 v1(93.52,56.66)
  Bottom w0.254: 92.16,59.24 92.16,58.02 v1(93.52,56.66)
Net-(D21-Pad2): length 23
  Top w0.254: D21.2 110.46,105.19 111.46,106.19 111.46,109.54 111.35,109.64 111.35,110.25 SW68.2 112.51,112.75 v1(111.15,114.11)
  Bottom w0.254: SW68.2 111.21,114.05 v1(111.15,114.11)
Net-(D22-Pad2): length 10.9
  Top w0.254: 112.27,92.12 SW69.2 ; SW69.2 112.51,93.66 v1(111.21,94.96) ; SW69.2 112.51,89.87 111.25,88.61 110.19,88.61 109.52,87.95 D22.2
Net-(D23-Pad2): length 8.6
  Top w0.254: v1(111.21,75.91) 112.51,74.61 SW70.2 111.71,72.51 D23.2
Net-(D24-Pad2): length 24.7
  Top w0.254: D24.2 110.16,48.35 112.51,50.7 SW71.2 112.51,55.55 v1(111.15,56.91)
  Bottom w0.254: SW71.2 111.2,56.86 v1(111.15,56.91)
Net-(D25-Pad2): length 9.8
  Top w0.254: D25.2 130.45,96.91 130.45,100.78 SW74.2 131.56,103.25 v1(130.3,104.51)
  Bottom w0.254: 130.26,104.49 130.28,104.49 v1(130.3,104.51)
Net-(D26-Pad2): length 24.6
  Top w0.254: SW75.2 131.22,83.15 131.22,84.44 v1(130.25,85.41) 130.25,85.76 127.36,88.66 112.42,88.66 111.71,87.95 D26.2
  Bottom w0.254: v1(130.25,85.41) 130.26,85.4 130.26,85.4
Net-(D27-Pad2): length 9.6
  Top w0.254: v1(130.25,66.36) 131.56,65.05 SW76.2 131.56,62.44 130.3,61.18 D27.2
  Bottom w0.254: 130.26,66.35 130.26,66.35 v1(130.25,66.36)
Net-(D28-Pad2): length 67.1
  Top w0.254: v1(122.91,28.55) 121.96,27.6 121.13,27.6 SW77.2 ; SW78.2 139.24,19.17 v1(139.4,19.01)
  Bottom w0.254: 128.42,32.68 128.42,33.14 126.54,35.02 125.53,35.02 124.76,35.78 124.76,38.11 123.9,38.98 123.9,40.1 122.63,41.36 D28.2 ; 128.42,32.68 127.41,31.66 127.41,30.75 125.21,28.55 v1(122.91,28.55) ; 128.42,32.68 129.95,32.68 131.32,31.31 133.05,31.31 133.45,31.71 135.03,31.71 135.53,31.21 135.53,26.48 136.7,25.31 143.1,25.31 144.37,24.04 144.37,22.42 140.97,19.01 v1(139.4,19.01) 139.4,19.01 SW78.2
Net-(D29-Pad2): length 18.2
  Top w0.254: SW46.2 17.26,34.31 v1(16.05,35.52)
  Bottom w0.254: D29.2 10.59,45.25 9.75,44.41 9.75,40.04 10.57,39.23 13,39.23 14.07,38.17 14.07,37.5 v1(16.05,35.52) 16.02,35.49 SW46.2
Net-(D30-Pad2): length 11.7
  Top w0.254: SW51.2 36.31,34.26 v1(35.05,35.52)
  Bottom w0.254: SW51.2 35.02,35.49 v1(35.05,35.52) 36.32,34.25 36.32,30.49 37.03,29.78 38.91,29.78 D30.2
Net-(D31-Pad2): length 27.2
  Top w0.254: 55.36,37.59 55.36,38.83 v1(54,40.2)
  Bottom w0.254: v1(54,40.2) 54.01,40.19 54.06,40.19 53.75,39.88 53.75,33.39 52.63,32.27 45.52,32.27 44.4,33.39 39.32,33.39 38.91,32.98 38.91,31.94 D31.2
Net-(D32-Pad2): length 55.5
  Top w0.254: v1(65.02,32.78) 65.03,32.77 SW62.2 ; v1(73.1,42.58) 74.41,41.27 SW61.2 74.54,40.1 81.53,40.1 83.41,38.22 83.41,31.36 v1(82.5,30.44)
  Bottom w0.254: SW61.2 v1(73.1,42.58) ; D32.2 60.28,33.76 61.32,32.73 64.97,32.73 v1(65.02,32.78) 65.02,31.3 SW62.2 66.33,28.12 66.95,27.5 81.33,27.5 82.45,28.61 82.45,30.39 v1(82.5,30.44)
Net-(D33-Pad2): length 17.9
  Top w0.254: D33.2 101.7,37.21 101.7,42.23 101.14,42.79 98.96,42.79 97.99,41.82 97.99,39.09 SW67.2 97.9,39.18 v1(95.3,39.18)
  Bottom w0.254: v1(95.3,39.18) 95.24,39.12 SW67.2
Net-(D34-Pad2): length 39.4
  Top w0.254: SW73.2 118.36,38.72 117.34,38.72 v1(116.49,37.87) 114.9,36.29 112.93,36.29 108.76,32.12 108.76,28.87 107.85,27.95 107.85,27.24 107.24,26.63 107.24,23.53 D34.2 107.75,21.3 107.75,16.93 107.49,16.68 107.49,15.66 108.71,14.44 111.05,14.44 v1(113.39,12.1)
  Bottom w0.254: v1(113.39,12.1) 113.37,12.09 SW72.2
Net-(D35-Pad2): length 21.3
  Top w0.254: D37.4 5.25,82.93 5.99,83.68 5.99,85.05 5.94,85.1 5.94,88.3 7.06,89.42 7.06,89.57 8.43,90.95 8.43,94.76 7.32,95.87 v1(6.3,95.87)
  Bottom w0.254: v1(6.3,95.87) 6.15,95.72 4.01,95.72 3.5,96.23 D35.2
Net-(D36-Pad4): length 20.9
  Top w0.254: D36.4 144.79,94.85 148.9,90.73 D38.2
Net-(D37-Pad2): length 23.2
  Top w0.254: D39.4 3.59,63.67 4.88,63.67 5.23,64.02 5.23,68.59 7.26,70.63 7.26,71.24 8.59,72.56 8.59,75.6 7.32,76.87 6.2,76.87 5.99,76.67 2.24,76.67 2.01,76.9 D37.2
Net-(D38-Pad4): length 27.9
  Top w0.254: v1(147.22,70.07) 147.37,69.92 148.74,69.92 149.2,69.46 149.2,56 v1(148.13,54.93) ; v1(145.95,71.9) 146.9,72.85 D38.4
  Bottom w0.254: v1(147.22,70.07) 145.95,71.34 v1(145.95,71.9) ; D40.2 144.65,51.45 v1(148.13,54.93)
Net-(D39-Pad2): length 22.1
  Top w0.254: D41.4 4.99,45.34 5.94,46.29 5.94,46.6 5.89,46.65 5.89,49.95 6.76,50.81 6.76,51.12 8.38,52.74 8.38,56.4 7.47,57.32 2.03,57.32 1.75,57.6 D39.2
Net-(D40-Pad4): length 137.5
  Top w0.254: D40.4 138.48,49.6 138.23,49.34 138.23,43.91 138.63,43.5 148.95,43.5 149.71,44.26 149.71,70.12 148.84,70.98 114.25,70.98 113.74,70.47 v1(113.74,60.52) ; v1(113.69,58.23) 115.11,56.81 115.11,52.34 110.54,47.77 106.68,47.77 v1(102.51,43.6) ; D42.2 101.04,26.12 99.36,27.8 99.36,32.17 100.89,33.69 v1(100.89,41.87)
  Bottom w0.254: v1(113.69,58.23) 113.69,60.47 v1(113.74,60.52) ; v1(102.51,43.6) 102.51,43.5 v1(100.89,41.87)
Net-(D41-Pad2): length 31.2
  Top w0.254: D41.2 1.83,40.28 1.83,38.57 2.18,38.22 6.96,38.22 7.06,38.32 7.21,38.32 8.69,36.84 8.69,33.95 6.4,31.66 6.4,31.31 6.1,31 6.1,26.28 7.43,24.94 D43.4
Net-(D42-Pad4): length 26.1
  Top w0.254: D44.2 88.49,23.03 89.05,22.47 97.49,22.47 97.79,22.16 v1(98.76,22.16) ; v1(101.19,28.77) 102.67,30.24 v1(102.67,30.39)
  Bottom w0.254: v1(101.19,28.77) 100.74,28.31 100.74,24.14 v1(98.76,22.16) ; v1(102.67,30.39) 102.73,30.45 D42.4
Net-(D43-Pad2): length 18
  Top w0.254: D43.2 32.02,23.19 32.72,23.89 32.72,24.3 33.31,24.89 D45.4
Net-(D44-Pad4): length 15.7
  Top w0.254: D46.2 76.98,23.19 77.37,23.59 77.37,24.09 78.05,24.78 D44.4
Net-(D45-Pad2): length 19.2
  Top w0.254: D45.2 57.21,23.14 57.91,23.84 57.91,24.55 58.22,24.86 60.66,24.86 D46.4
Net-(D68-Pad2): length 41.7
  Top w0.254: D68.2 124.97,21.03 124.97,18.3 124.51,17.85 124.51,17.29 124.05,16.83 124.05,15.86 125.83,14.09 125.83,11.6 124,9.77 124,6.31 124.92,5.4 125.53,5.4 126.87,4.05 129.41,4.05 ; SW80.2 135.9,28.2 134.82,29.28 v1(133.76,29.28) ; v1(129.9,2.5) 129.41,2.99 129.41,4.05 ; 129.41,4.05 128.73,4.74
  Bottom w0.254: SW79.2 129.89,2.49 v1(129.9,2.5) ; v1(133.76,29.28) 133,28.52 SW80.2 132.34,27.65 129.84,27.65 127.05,24.86 127.05,23.28 124.93,21.16 D68.2
Net-(D_1-Pad2): length 3.3
  Bottom w0.254: D_1.2 144.65,43.8 SW57.S2
Net-(J6-Pad1): length 6.6
  Top w0.254: J6.1 JP4.2
  Bottom w0.254: J6.1 JP8.2
Net-(J6-Pad2): length 6.6
  Top w0.254: J6.2 JP3.2
  Bottom w0.254: JP3.2 J6.2
Net-(J6-Pad3): length 6.6
  Top w0.254: J6.3 JP2.2
  Bottom w0.254: JP6.2 J6.3
Net-(J6-Pad4): length 6.6
  Top w0.254: J6.4 JP1.2
  Bottom w0.254: JP5.2 J6.4
Net-(JP9-Pad1): length 35.4
  Top w0.254: v1(112.73,107.2) 114.87,107.2 TRRS1.4 TRRS1.4 ; v1(104.6,116.75) 104.6,117.87 101.9,120.56 97.13,120.56 96.49,121.2 JP9.1
  Bottom w0.254: v1(112.73,107.2) 112.67,107.15 107.39,107.15 107.14,107.41 107.14,109.23 105.77,110.61 105.77,111.22 104.34,112.64 104.34,115.64 104.6,115.89 v1(104.6,116.75)
Net-(JP10-Pad2): length 30.9
  Top w0.254: TRRS1.3 TRRS1.3 113.65,116.75 106.48,116.75 102.11,121.12 98.09,121.12 95.73,123.48 JP10.2 JP11.2

## Copper pours and planes (outline as drawn; the poured copper is in the pictures)
GND on Top: 109.47,117.51 110.49,117.51 110.49,118.28 112.01,119.8 121.67,119.8 122.43,119.55 122.94,118.78 123.19,118.28 123.19,110.15 123.44,109.39 123.95,108.62 124.71,108.12 125.48,107.86 130.56,107.86 131.32,107.61 132.08,106.34 151,106.47 151.13,46.14 151.13,31.15 132.33,-0.72 115.82,8.68 93.98,21.5 0,21.5 0,114.97 0.76,115.99 2.29,116.5 56.39,127.42 93.98,127.55
GND on Bottom: 109.47,117.77 110.24,117.77 110.24,118.28 112.01,120.05 121.67,120.05 122.68,119.55 123.44,118.28 123.44,109.89 123.7,109.13 124.21,108.62 124.97,108.12 130.3,108.12 131.57,107.61 132.33,106.34 151,106.47 151.13,31.15 132.33,-0.72 93.98,21.25 -0.25,21.25 -0.25,114.97 0.51,116.24 56.39,127.67 93.98,127.55

## Text on the board
B.Silkscreen: RGB | Xtra | V | G | ErgoDash / V1.2 Mod | By Positron / Electronic
F.Silkscreen: RGB | Xtra | G | V | ErgoDash / V1.2 Mod | By Positron / Electronic
